# Altium PCB Supply_modulev2.0.PcbDoc (part 2 of 2)
Units mm, origin at the board's own origin, x right, y up, seen from the top; angles counter-clockwise.
Board outline 118.9 x 64.7 mm, 2 copper layers (Top Layer, Bottom Layer); 229 components, 145 nets, 729 pads, 144 vias.
Unrouted connection lines stored in the file: 11.
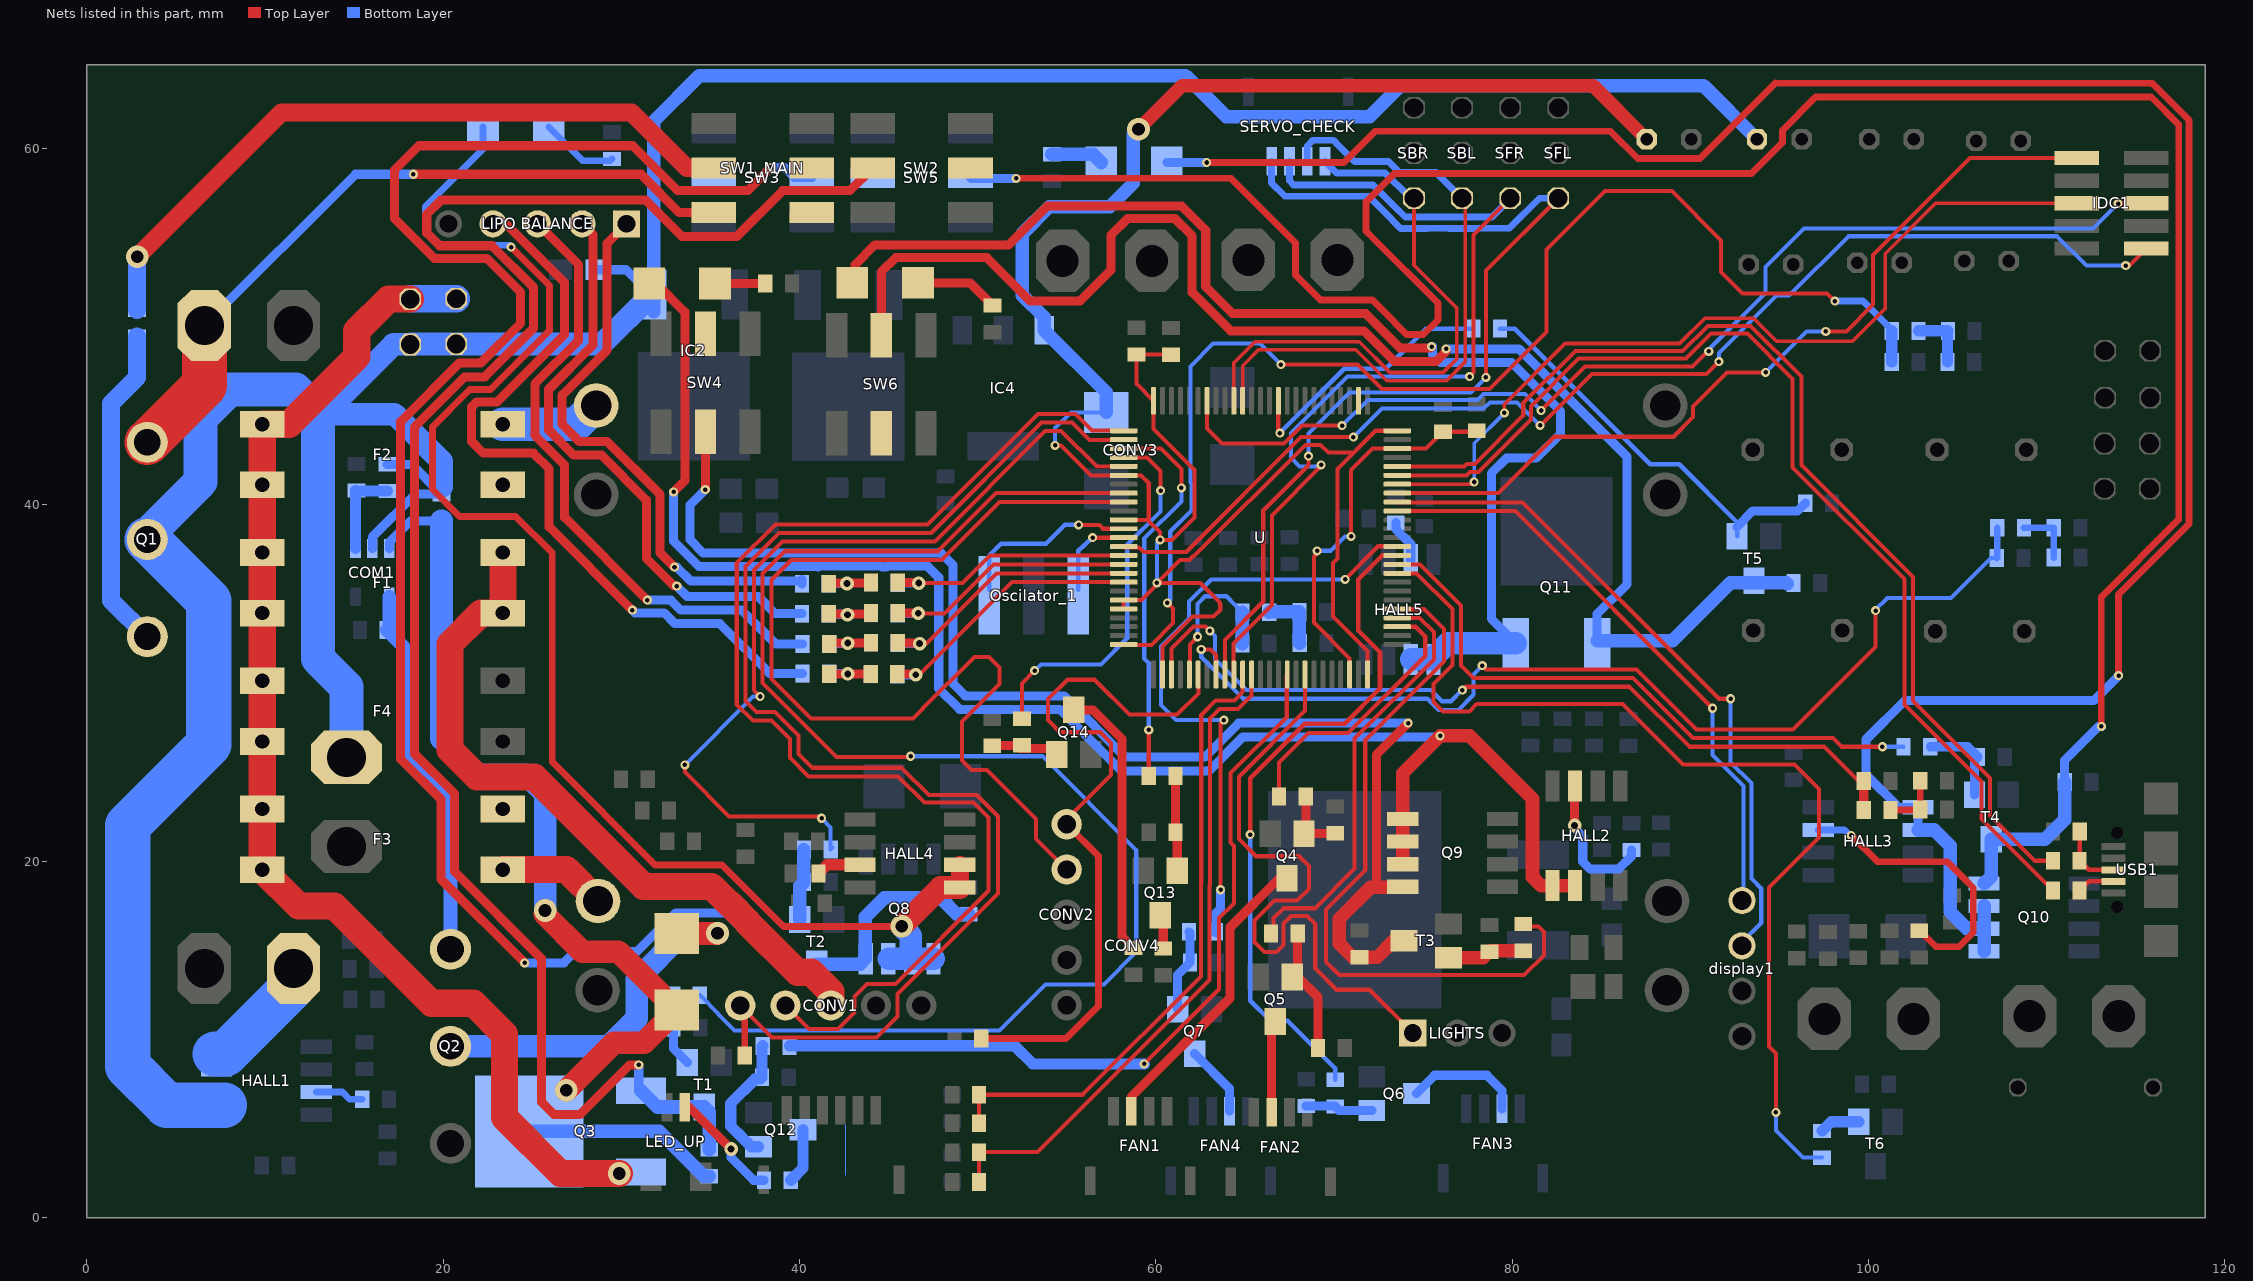
[diagram p2: the nets of this part, all layers, seen from the top]

## Via types
v1: diameter 0.508, hole 0.254, Top Layer to Bottom Layer, 98 vias
v2: diameter 0.762, hole 0.381, Top Layer to Bottom Layer, 25 vias
v3: diameter 1.27, hole 0.711, Top Layer to Bottom Layer, 6 vias
v4: diameter 1.5, hole 1.2, Top Layer to Bottom Layer, 6 vias
v5: diameter 1.27/1.27 (per signal layer), hole 0.711, Top Layer to Bottom Layer, 4 vias
v6: diameter 7, hole 3.2, Top Layer to Bottom Layer, 3 vias
v7: diameter 2.8, hole 2.18, Top Layer to Bottom Layer, 2 vias

## Nets (pads, with @x,y where several pads share a name; then routed paths per layer and width w, separated by ;. In a path a pad name is that pad's centre, name@x,y a point inside that pad or via, vN(x,y) a via of type N, cw(c..) or ccw(c..) an arc to the next point about the centre after c; other vN are vias at no path point) (continued)
NetC38_1: C38.1 C51.1 C52.1 IC4.3 TVS5.1 U.6 U.11 U.20 U.21 U.27 U.50 U.75 U.100 | length 129.9
  Top Layer w0.229: v1(54.346,43.342) 54.677,43.342 56.358,41.661 U.6@58.198,41.661 59.178,41.661 59.604,41.234 59.604,39.221 59.544,39.161 ; U.21@58.198,34.161 U.20@58.198,34.661 59.203,34.661 60.061,35.519 v1(60.061,35.621) ; U.11@58.198,39.161 59.544,39.161 ; U.27@60.378,30.481 60.378,32.047 62.059,33.728 63.245,33.728 63.617,34.101 63.617,34.452 63.579,34.49 63.579,34.537 62.495,35.621 v1(60.061,35.621) ; C52.1@60.849,48.422 60.823,48.448 C51.1@58.918,48.448 58.918,46.8 U.100@59.878,45.841 59.878,44.262 62.17,41.971 62.17,39.304 60.9,38.034 v1(60.239,38.034) 60.239,38.465 59.544,39.161 ; 71.11,42.936 69.688,42.936 69.256,43.368 68.393,43.368 62.119,37.094 62.066,37.094 61.888,36.916 61.357,36.916 v1(60.061,35.621) ; U.50@71.878,30.481 71.878,31.805 69.942,33.741 69.942,36.738 70.196,36.992 70.196,42.021 72.335,44.161 U.75@73.558,44.161
  Top Layer w0.762: v3(59.032,61.083) 61.484,63.535 84.536,63.535 C38.1@87.547,60.524
  Bottom Layer w0.229: v1(54.346,43.342) 54.346,44.307 55.235,45.196 TVS5.1@57.217,45.196 ; v1(60.061,35.621) 60.061,37.856 v1(60.239,38.034)
  Bottom Layer w0.762: TVS5.1@57.217,45.196 57.217,46.317 IC4.3@53.739,49.794 53.739,50.528 52.492,51.775 52.492,55.204 54.016,56.728 57.42,56.728 58.741,58.049 58.741,60.792 v3(59.032,61.083)
NetC39_1: C39.1 R46.1 U.37 | length 37.4
  Top Layer w0.229: R46.1@50.079,1.991 C39.1@50.079,3.667 53.356,3.667 63.02,13.332 63.02,18.657 63.033,18.67 63.033,28.017 63.563,28.547 64.617,28.547 65.378,29.307 U.37@65.378,30.481
NetC40_1: C40.1 R45.1 U.36 | length 35.3
  Top Layer w0.229: C40.1@50.079,5.293 R45.1@50.079,6.893 55.899,6.893 62.538,13.532 62.538,18.857 62.551,18.87 62.551,28.217 63.363,29.029 64.417,29.029 64.878,29.49 U.36@64.878,30.481
NetC41_1: C41.1 L6.1 U.25 | length 72.7
  Top Layer w0.229: U.25@58.198,32.131 59.747,32.131 60.976,33.36 60.976,34.173 v1(60.646,34.503) ; v1(67.026,47.869) 71.334,47.869 72.698,46.504 78.735,46.504 81.922,49.692 81.922,54.332 85.207,57.617 88.967,57.617 91.735,54.848 91.735,53.07 92.929,51.877 97.674,51.877 v1(98.111,51.44)
  Bottom Layer w0.229: v1(60.646,34.503) 60.811,34.668 60.811,38.503 62.004,39.697 62.004,41.191 61.941,41.255 61.941,47.774 63.224,49.057 65.838,49.057 v1(67.026,47.869)
  Bottom Layer w0.381: v1(98.111,51.44) 99.69,51.44 L6.1@101.311,49.819
  Bottom Layer w0.635: C41.1@101.311,48.016 L6.1@101.311,49.768
NetC42_1: C42.1 L7.1 U.28 | length 47.5
  Top Layer w0.229: U.28@60.878,30.481 60.878,31.937 62.111,33.169 62.792,33.169 v1(63.033,32.928) ; v1(77.206,29.601) 77.397,29.791 86.592,29.791 89.957,26.426 97.501,26.426 99.431,24.495 C42.1@99.736,24.495
  Top Layer w0.508: L7.1@99.736,22.87 C42.1@99.736,24.495
  Bottom Layer w0.229: v1(63.033,32.928) 63.325,32.636 63.325,31.363 65.086,29.602 75.436,29.602 76.06,28.978 76.575,28.978 77.197,29.601 v1(77.206,29.601)
NetC43_1: C43.1 L8.1 U.33 | length 58.5
  Top Layer w0.229: v1(62.551,31.887) 63.059,31.887 63.378,31.567 U.33@63.378,30.481 ; v1(78.324,30.972) 78.54,30.756 86.991,30.756 90.357,27.391 95.774,27.391 100.397,32.014 v1(100.397,34.071)
  Bottom Layer w0.229: v1(62.551,31.887) 62.551,31.455 64.886,29.12 75.236,29.12 75.86,28.496 76.982,28.496 77.829,29.343 77.829,30.477 v1(78.324,30.972) ; v1(100.397,34.071) 100.346,34.071 101.057,34.782 104.638,34.782 106.874,37.018 C43.1@107.202,37.018
  Bottom Layer w0.381: C43.1@107.202,37.018 107.228,37.043 L8.1@107.228,38.719
NetC44_1: C44.1 L9.1 U.30 | length 9.3
  Top Layer w0.229: U.30@61.878,30.481 61.921,30.523 61.921,32.171 v1(62.347,32.598)
  Bottom Layer w0.229: v1@62.347,32.547 62.347,34.448 62.771,34.871 63.96,34.871 64.468,34.363 L9.1@64.862,33.97 ; C44.1@64.684,32.039 C44.1@64.862,32.217
  Bottom Layer w0.762: C44.1@64.862,32.217 L9.1@64.862,33.97
NetC45_1: C45.1 L10.1 U.15 | length 14.5
  Top Layer w0.229: v2(46.694,35.612) 49.157,35.612 50.705,37.161 U.15@58.198,37.161
  Top Layer w0.508: L10.1@45.519,35.638 v2@46.694,35.638
  Bottom Layer w0.508: C45.1@45.519,35.612 v2(46.694,35.612)
NetC46_1: C46.1 L11.1 U.16 | length 15
  Top Layer w0.229: v2(46.669,33.912) 48.139,33.912 50.887,36.661 U.16@58.198,36.661
  Top Layer w0.508: L11.1@45.519,33.938 v2@46.669,33.938
  Bottom Layer w0.508: C46.1@45.519,33.912 v2(46.669,33.912)
NetC47_1: C47.1 L12.1 U.17 | length 15.6
  Top Layer w0.229: v2(46.744,32.212) 47.122,32.212 51.07,36.161 U.17@58.198,36.161
  Top Layer w0.508: L12.1@45.519,32.263 45.544,32.238 v2@46.744,32.238
  Bottom Layer w0.508: C47.1@45.519,32.237 45.544,32.212 v2(46.744,32.212)
NetC48_1: C48.1 L13.1 U.18 | length 15.9
  Top Layer w0.229: v2(46.523,30.464) 46.721,30.464 51.917,35.661 U.18@58.198,35.661
  Top Layer w0.508: L13.1@45.494,30.513 46.475,30.513 v2(46.523,30.464)
  Bottom Layer w0.508: C48.1@45.494,30.487 45.517,30.464 v2(46.523,30.464)
NetC49_1: C49.1 C50.1 U.48 U.73 | length 22
  Top Layer w0.229: v1(69.053,37.424) 69.205,37.424 68.875,37.094 68.875,33.385 70.878,31.383 U.48@70.878,30.481 ; v1(70.958,38.237) 70.958,41.945 72.173,43.161 U.73@73.558,43.161 75.171,43.161 C49.1@76.114,44.104 77.968,44.104 C50.1@78.019,44.155
  Bottom Layer w0.229: v1(69.053,37.424) 69.815,37.424 70.628,38.237 v1(70.958,38.237)
NetCOM1_1: COM1.1 R5.1 R6.2 | length 5
  Bottom Layer w0.635: COM1.1@15.078,37.551 R6.2@15.078,40.801 ; R6.2@15.129,40.801 15.153,40.777 R5.1@16.881,40.777
NetCOM1_3: COM1.3 Q3.2 R4.2 R8.2 TVS0.1 | length 57.5
  Top Layer w1.27: v3(25.721,17.231) 25.721,17.053 25.695,17.028 27.803,14.92 29.835,14.92 TVS0.1@32.223,12.532 ; v3(26.914,7.147) 29.581,9.814 31.283,9.814 TVS0.1@33.112,11.643
  Bottom Layer w0.508: COM1.3@16.978,37.551 16.978,37.902 18.175,39.099 R4.2@19.904,39.099
  Bottom Layer w0.762: Q3.2@24.835,4.836 32.127,4.836 34.643,2.32 R8.2@34.941,2.32
  Bottom Layer w1.27: R4.2@19.904,39.099 19.904,26.883 21.936,24.851 24.681,24.851 25.721,23.812 v3(25.721,17.231)
NetCOM1_4: COM1.4 Q2.1 R7.2 | length 21.3
  Bottom Layer w0.762: COM1.4@16.978,34.851 16.978,33.125 R7.2@16.832,32.979 17.796,32.015 17.796,26.248 20.412,23.632 Q2.1@20.412,15.061
NetCONV1_1: CONV1.1 R19.2 U.2 | length 76.6
  Top Layer w0.229: CONV1.1@36.675,11.9 38.468,10.107 44.327,10.107 45.513,11.294 45.513,12.56 51.146,18.193 51.146,22.524 49.95,23.719 47.257,23.719 45.732,25.245 40.719,25.245 39.956,26.008 39.956,27.062 38.637,28.381 37.583,28.381 36.96,29.004 36.96,36.541 38.846,38.427 47.396,38.427 53.594,44.625 55.29,44.625 56.268,43.647 58.184,43.647 U.2@58.198,43.661
  Top Layer w0.381: CONV1.1@36.675,11.9 36.923,11.652 R19.2@36.923,9.103
NetCONV1_2: CONV1.2 U.1 | length 70.7
  Top Layer w0.229: CONV1.2@39.215,11.9 40.525,10.59 42.168,10.59 43.077,11.499 43.077,12.405 43.79,13.118 45.389,13.118 50.613,18.342 50.613,22.446 49.772,23.287 47.007,23.287 45.532,24.762 40.519,24.762 39.473,25.808 39.473,26.862 38.437,27.898 37.383,27.898 36.477,28.804 36.477,36.741 38.646,38.91 47.196,38.91 53.394,45.107 55.49,45.107 56.428,44.169 U.1@58.198,44.169
NetCONV1_3: CONV1.3 F1.2 | length 40.8
  Top Layer w1.524: F1.2@23.35,37.325 F1.2@23.35,33.925 22.12,33.925 20.387,32.192 20.387,26.252 21.914,24.724 25.111,24.724 31.251,18.584 35.071,18.584 36.043,17.612 36.082,17.612 37.049,16.645 37.049,16.606 39.889,13.766 40.662,13.766 41.755,12.673 CONV1.3@41.755,11.9
NetCONV2_1: CONV2.1 R26.2 U.31 | length 40.4
  Top Layer w0.229: CONV2.1@55,22.075 55,22.342 57.496,24.838 57.496,26.645 56.902,27.239 54.626,27.239 53.94,27.924 53.94,29.093 55.032,30.185 56.556,30.185 58.512,28.229 61.195,28.229 62.391,29.424 62.391,30.468 U.31@62.378,30.481
  Top Layer w0.381: R26.2@50.208,10.043 54.959,10.043 56.785,11.869 56.785,20.29 CONV2.1@55,22.075
NetCONV2_2: CONV2.2 U.9 | length 57.7
  Top Layer w0.229: CONV2.2@55,19.535 53.28,21.255 53.28,22.366 50.529,25.116 49.662,25.116 49.114,25.664 49.114,27.837 51.235,29.958 51.235,30.88 50.647,31.468 49.816,31.468 46.914,28.566 46.914,28.553 46.375,28.013 40.643,28.013 38.421,30.236 38.421,35.798 39.538,36.916 47.971,36.916 51.216,40.161 U.9@58.198,40.161
NetCONV3_0: CONV3.0 F2.2 | length 5.7
  Bottom Layer w1.905: F2.2@23.35,44.525 27.488,44.525 CONV3.0@28.591,45.628
NetCONV4_0: CONV4.0 F3.2 | length 6.1
  Top Layer w1.524: F3.2@23.35,19.525 26.932,19.525 CONV4.0@28.692,17.764
Netdisplay1_3: display1.3 U.67 | length 38.3
  Top Layer w0.229: U.67@73.558,40.161 73.575,40.143 80.574,40.143 91.599,29.118 v1(92.269,29.118)
  Bottom Layer w0.229: v1(92.269,29.118) 92.269,25.547 93.424,24.392 93.424,19.022 93.983,18.463 93.983,16.532 92.904,15.453 display1.3@92.904,15.25
Netdisplay1_4: display1.4 U.66 | length 33.8
  Top Layer w0.229: U.66@73.558,39.661 80.177,39.661 v1(91.253,28.585)
  Bottom Layer w0.229: v1(91.253,28.585) 91.253,25.953 92.992,24.213 92.992,17.879 display1.4@92.904,17.79
NetF1_1: F1.1 F2.1 F3.1 F4.1 JP0_1.1 JP0_2.1 Q3.3 | length 69.5
  Top Layer w1.524: JP0_1.1@18.151,51.546 16.932,51.546 15.154,49.768 15.154,48.321 11.359,44.525 F2.1@9.85,44.525 F2.1@9.85,41.125 F1.1@9.85,37.325 F1.1@9.85,33.925 F4.1@9.85,30.125 F4.1@9.85,26.725 F3.1@9.85,22.925 F3.1@9.85,19.525 11.89,17.485 13.884,17.485 19.345,12.024 21.707,12.024 23.435,10.297 23.435,5.623 26.584,2.474 v3(29.886,2.474)
  Bottom Layer w1.524: JP0_1.1@18.151,51.546 18.177,51.572 JP0_2.1@20.742,51.572
NetFAN1_2: FAN1.2 Q4.3 | length 17.7
  Top Layer w0.508: FAN1.2@58.628,5.967 58.628,6.786 64.165,12.323 64.165,16.28 66.934,19.049 Q4.3@67.366,19.049 ; Q4.3@67.021,19.049 Q4.3@67.366,19.049 ; Q4.3@67.366,18.605 Q4.3@67.366,19.049
NetFAN2_2: FAN2.2 Q5.3 | length 5.2
  Top Layer w0.508: FAN2.2@66.502,5.9 66.502,10.727 Q5.3@66.739,10.964
NetFAN3_2: FAN3.2 Q6.3 | length 6.6
  Bottom Layer w0.508: Q6.3@74.627,6.96 75.652,7.985 78.578,7.985 79.428,7.136 FAN3.2@79.428,6.094
NetFAN4_2: FAN4.2 Q7.3 | length 4
  Bottom Layer w0.508: Q7.3@62.18,9.194 64.137,7.237 FAN4.2@64.137,5.967
NetHALL1_2: HALL1.2 MOTORS.1 | length 9.9
  Bottom Layer w0.762: 9.49,10.881 11.6,12.991 MOTORS.1@11.6,13.975
  Bottom Layer w2.54: 7.204,9.174 7.783,9.174 MOTORS.1@11.6,12.991
NetHALL1_4: HALL1.4 R2.1 | length 2.8
  Bottom Layer w0.381: HALL1.4@12.875,7.045 14.342,7.045 14.748,6.639 R2.1@15.459,6.639
NetHALL2_1: HALL2.1 LED3.1 Q9.3 | length 90.1
  Top Layer w0.508: LED3.1@31.575,52.425 31.968,52.425 33.569,50.824 33.569,41.361 v1(32.934,40.726)
  Top Layer w0.762: Q9.3@73.86,19.835 Q9.3@73.86,21.105 Q9.3@73.86,22.375 73.86,24.933 v1(75.962,27.035) 77.613,27.035 81.143,23.505 81.143,19.111 81.626,18.628 HALL2.1@83.201,18.628
  Bottom Layer w0.508: v1(32.934,40.726) 32.934,37.968 34.367,36.535 41.016,36.535 41.041,36.51 41.101,36.57 44.609,36.57 44.669,36.51 44.87,36.51 44.93,36.57 47.174,36.57 47.819,35.925 47.819,29.692 48.988,28.522 54.608,28.522 58.076,25.054 62.965,25.054 64.894,26.983 75.909,26.983 v1(75.962,27.035)
NetHALL2_4: HALL2.4 R32.1 | length 8
  Top Layer w0.508: v2(83.506,22.006) HALL2.4@83.506,24.228
  Bottom Layer w0.508: v2(83.506,22.006) 83.506,21.854 83.963,21.397 83.963,19.974 84.369,19.568 85.995,19.568 86.7,20.273 R32.1@86.7,20.636
NetHALL3_1: HALL3.1 LED4.1 Q10.3 | length 127.5
  Top Layer w0.381: v1(62.855,59.217) 70.552,59.217 72.304,60.97 85.526,60.97 87.051,59.445 90.544,59.445 94.779,63.68 115.872,63.655 115.936,63.655 117.999,61.593 117.999,38.935 114.036,34.972 v1(114.036,30.414)
  Bottom Layer w0.508: LED4.1@60.62,59.217 v1(62.855,59.217) ; HALL3.1@102.784,21.752 HALL3.1@102.784,23.022 101.692,23.022 99.863,24.851 99.863,26.832 102.048,29.017 112.639,29.017 v1(114.036,30.414)
  Bottom Layer w0.762: HALL3.1@102.784,21.752 103.687,21.752 104.588,20.852 104.588,17.155 105.527,16.215 Q10.3@106.493,16.215 ; Q10.3@106.493,14.945 Q10.3@106.493,16.215 ; Q10.3@106.493,17.485 Q10.3@106.493,16.215
NetHALL3_4: HALL3.4 R38.1 | length 16.5
  Top Layer w0.381: v1(99.025,21.447) 100.498,19.974 104.41,19.974 105.418,18.966 105.428,18.966 105.883,18.511 105.883,15.995 105.087,15.199 103.78,15.199 102.879,16.1 R38.1@102.85,16.1 R38.1@102.85,16.327
  Bottom Layer w0.381: HALL3.4@97.184,21.752 98.644,21.752 98.949,21.447 v1(99.025,21.447)
NetHALL4_1: HALL4.1 LED2.1 Q8.3 | length 83.6
  Top Layer w0.381: v1(23.816,54.47) 25.975,52.311 25.975,49.794 22.662,46.482 21.494,46.482 19.396,44.384 19.396,40.878 20.92,39.354 24.07,39.354 26.127,37.297 26.127,25.562 31.899,19.79 35.658,19.79 39.106,16.342 v5(45.736,16.342)
  Top Layer w1.016: HALL4.1@49,18.525 HALL4.1@49,19.776
  Top Layer w1.27: v5(45.736,16.342) 47.919,18.525 HALL4.1@49,18.525
  Bottom Layer w0.381: LED2.1@22.241,61.224 22.241,59.979 19.015,56.753 19.015,55.354 19.8,54.568 23.717,54.568 v1(23.816,54.47)
  Bottom Layer w1.27: Q8.3@45.004,14.525 Q8.3@46.255,14.525 ; v5(45.736,16.342) 46.255,15.823 Q8.3@46.255,14.525 ; Q8.3@47.525,14.525 Q8.3@46.255,14.525
NetHALL4_4: HALL4.4 R25.1 | length 2.5
  Top Layer w0.635: R25.1@41.062,19.314 41.543,19.795 HALL4.4@43.4,19.795
NetHALL5_1: HALL5.1 LED5.1 Q11.3 | length 71.5
  Top Layer w0.508: LED5.1@42.967,52.461 43.12,52.613 43.12,53.477 44.237,54.594 51.74,54.594 53.924,56.779 61.433,56.779 62.805,55.407 62.805,52.243 64.311,50.736 71.783,50.736 73.716,48.803 75.403,48.803 v1(75.479,48.879) ; LED5.1@43,52.675 LED5.1@43,52.773
  Bottom Layer w0.508: v1(75.479,48.879) v1@75.53,48.829 ; v1@75.53,48.879 75.53,48.437 75.976,47.99 79.975,47.99 82.718,45.247 82.718,44.003 81.347,42.631 79.69,42.631 78.832,41.773 78.832,33.614 Q11.3@80.204,32.242
  Bottom Layer w1.27: HALL5.1@74.33,31.328 75.479,31.328 76.394,32.242 Q11.3@80.204,32.242
NetHALL5_4: HALL5.4 R44.1 | length 2.4
  Bottom Layer w0.508: R44.1@73.473,38.999 73.473,38.643 74.311,37.805 HALL5.4@74.311,36.928
NetIDC1_1: IDC1.1 U.68 | length 47.9
  Top Layer w0.229: U.68@73.558,40.661 79.224,40.661 82.388,43.825 89.055,43.825 90.158,44.928 90.158,45.524 92.065,47.432 v1(94.224,47.432) ; v1(97.603,49.743) 98.771,49.743 100.264,51.236 100.264,54.034 105.697,59.467 IDC1.1@111.703,59.467
  Bottom Layer w0.229: v1(94.224,47.432) 96.536,49.743 v1(97.603,49.743)
NetIDC1_3: IDC1.3 U.69 | length 49.1
  Top Layer w0.203: U.69@73.558,41.161 73.562,41.165 77.747,41.165 v1(77.867,41.285) ; v1(79.569,45.162) 79.569,45.654 82.972,49.057 89.398,49.057 90.808,50.467 93.561,50.467 94.844,49.184 99.101,49.184 100.941,51.024 100.941,54.101 103.767,56.927 IDC1.3@111.703,56.927
  Bottom Layer w0.203: v1(77.867,41.285) 77.867,43.46 v1(79.569,45.162)
NetIDC1_8: IDC1.8 U.94 | length 61.8
  Top Layer w0.229: U.94@62.878,45.841 62.878,44.285 63.706,43.456 67.207,43.456 68.198,44.447 v1(70.463,44.447) ; v1(81.626,45.298) 84.102,47.774 90.122,47.774 v1@90.961,48.613
  Top Layer w0.254: v1(114.011,56.906) 114.032,56.927 IDC1.8@115.603,56.927
  Bottom Layer w0.229: v1(70.463,44.447) 71.898,45.882 78.065,45.882 78.396,46.212 80.712,46.212 v1(81.626,45.298) ; v1(91.037,48.613) 91.037,48.714 94.214,51.892 94.214,53.34 96.383,55.509 112.614,55.509 v1(114.011,56.906)
NetIDC1_10: IDC1.10 U.14 | length 67.3
  Top Layer w0.229: U.14@58.198,37.661 58.241,37.618 59.068,37.618 59.339,37.348 61.709,37.348 68.16,43.799 v1(71.085,43.799) ; v1@81.575,44.434 84.483,47.343 90.91,47.343 v1(91.608,48.041) ; v1(114.443,53.426) 114.642,53.426 IDC1.10@115.603,54.387
  Bottom Layer w0.229: v1(71.085,43.799) 72.685,45.4 78.401,45.4 78.757,45.755 80.28,45.755 v1(81.575,44.46) ; v1(91.608,48.041) 91.608,48.524 94.834,51.75 95.545,51.75 98.873,55.077 110.582,55.077 112.233,53.426 v1(114.443,53.426)
NetL6_2: L6.2 R55.1 R56.2 | length 3.4
  Bottom Layer w0.635: L6.2@102.811,49.768 R56.2@104.459,49.768 104.435,49.744 R55.1@104.435,48.016
NetL7_2: L7.2 R57.1 R58.2 | length 3.3
  Top Layer w0.381: L7.2@101.236,22.87 102.886,22.87 R57.1@102.911,22.895 102.911,24.519 R58.2@102.91,24.521
NetL8_2: L8.2 R59.1 R60.2 | length 3.4
  Bottom Layer w0.381: L8.2@108.728,38.719 R59.1@110.403,38.719 110.403,37.044 R60.2@110.401,37.043
NetL9_2: L9.2 R61.1 R62.2 | length 3.5
  Bottom Layer w0.762: L9.2@66.362,33.97 66.387,33.995 R61.1@68.062,33.995 68.062,32.266 R62.2@68.086,32.242
NetL10_2: L10.2 R63.1 R64.2 | length 3.4
  Top Layer w0.508: R64.2@41.669,35.613 42.669,35.613 43.994,35.613 L10.2@44.019,35.638
  Bottom Layer w0.508: R63.1@41.669,35.587 v2(42.669,35.587)
NetL11_2: L11.2 R65.1 R66.2 | length 3.3
  Top Layer w0.508: R66.2@41.669,33.888 L11.2@43.969,33.888
  Bottom Layer w0.508: R65.1@41.669,33.862 42.669,33.862 v2(42.694,33.837)
NetL12_2: L12.2 R67.1 R68.2 | length 3.4
  Top Layer w0.508: R68.2@41.669,32.238 L12.2@43.994,32.238
  Bottom Layer w0.508: R67.1@41.669,32.212 42.683,32.212 v2(42.713,32.242)
NetL13_2: L13.2 R69.1 R70.2 | length 3.4
  Top Layer w0.508: R70.2@41.673,30.515 42.71,30.515 v2(42.713,30.512) 43.944,30.512 43.969,30.538 L13.2@43.994,30.513
  Bottom Layer w0.508: R69.1@41.669,30.538 42.688,30.538 v2(42.713,30.512)
NetLED2_2: LED2.2 R23.2 | length 4.4
  Bottom Layer w0.381: LED2.2@25.924,61.224 27.829,59.319 29.38,59.319 R23.2@29.48,59.419
NetLED3_2: LED3.2 R30.2 | length 2.8
  Top Layer w0.508: LED3.2@35.258,52.425 R30.2@38.075,52.425
NetLED4_2: LED4.2 R36.2 | length 3
  Bottom Layer w0.762: R36.2@54.175,59.675 56.479,59.675 LED4.2@56.937,59.217
NetLED5_2: LED5.2 R42.2 | length 4.7
  Top Layer w0.508: LED5.2@46.65,52.461 49.573,52.461 R42.2@50.841,51.192
NetLED_UP_2: LED_UP.2 R52.2 | length 9.3
  Top Layer w0.508: LED_UP.2@33.564,6.196 33.809,6.196 v2(36.16,3.845)
  Bottom Layer w0: 42.6,2.375 42.6,5.203
  Bottom Layer w0.508: v2(36.16,3.845) 36.16,3.363 37.43,2.093 R52.2@38.013,2.093
NetLIGHTS_1: LIGHTS.1 U.43 | length 36.4
  Top Layer w0.229: U.43@68.378,30.481 68.378,28.447 64.671,24.74 64.671,21.24 65.633,20.279 68.037,20.279 68.596,19.72 68.596,18.45 67.935,17.79 66.665,17.79 65.548,16.672 65.548,15.453 66.107,14.894 66.768,14.894 67.178,15.304 67.178,16.502 67.602,16.926 68.494,16.926 68.951,16.469 68.951,13.98 70.145,12.786 71.989,12.786 LIGHTS.1@74.425,10.35
"NetLIPO BALANCE_1": "LIPO BALANCE.1" R63.2 | length 32.1
  Top Layer w0.508: 30.3,55.775 29.2,54.675 29.2,48.687 26.675,46.161 26.675,44.528 27.653,43.55 29.207,43.55 32.172,40.585 32.172,37.322 v1(32.985,36.51)
  Bottom Layer w0.508: v1(32.985,36.51) 33.123,36.51 33.91,35.722 39.995,35.722 R63.2@40.148,35.57 R63.2@40.148,35.824
"NetLIPO BALANCE_2": "LIPO BALANCE.2" R65.2 | length 33.3
  Top Layer w0.508: 27.8,55.775 28.413,55.162 28.413,48.977 25.913,46.477 25.913,44.212 27.337,42.788 28.892,42.788 31.41,40.27 31.41,37.007 32.974,35.443 v1(33.112,35.443)
  Bottom Layer w0.508: v1(33.112,35.443) 33.696,34.859 37.684,34.859 38.649,33.893 R65.2@40.148,33.893
"NetLIPO BALANCE_3": "LIPO BALANCE.3" R67.2 | length 35.4
  Top Layer w0.508: 25.3,55.775 27.6,53.475 27.6,49.242 25.151,46.792 25.151,43.896 26.817,42.23 26.817,39.299 v1(31.461,34.655)
  Bottom Layer w0.508: v1(31.461,34.655) 32.782,34.655 33.341,34.097 36.77,34.097 38.675,32.192 R67.2@40.173,32.192
"NetLIPO BALANCE_4": "LIPO BALANCE.4" R69.2 | length 43.3
  Top Layer w0.508: 22.8,55.775 23.517,55.775 26.813,52.479 26.813,49.565 23.031,45.783 21.89,45.783 21.592,45.485 21.592,43.565 22.257,42.9 25.07,42.9 25.95,42.02 25.95,38.77 v1(30.623,34.097)
  Bottom Layer w0.508: v1(30.623,34.097) 30.775,33.944 32.405,33.944 33.014,33.335 35.525,33.335 38.322,30.538 R69.2@40.169,30.538 R69.2@39.82,30.538
NetOscilator_1_1: Oscilator_1.1 U.13 | length 5.1
  Top Layer w0.254: v1(56.455,38.161) U.13@58.249,38.161
  Bottom Layer w0.254: Oscilator_1.1@55.642,35.24 55.642,37.424 v1(56.455,38.161)
NetOscilator_1_3: Oscilator_1.3 U.12 | length 10.4
  Top Layer w0.229: v1@55.743,38.796 v1(55.667,38.872) 56.836,38.872 57.047,38.661 U.12@58.198,38.661
  Bottom Layer w0.254: Oscilator_1.3@50.642,35.24 50.642,37.148 51.314,37.82 53.837,37.82 54.889,38.872 v1(55.667,38.872)
NetQ1_1: Q1.1 R1.1 | length 18.3
  Bottom Layer w1.016: R1.1@2.825,49.45 2.825,47.142 1.362,45.679 1.362,34.641 Q1.1@3.394,32.609
NetQ2_3: Q2.3 TVS0.2 | length 21.2
  Top Layer w1.27: TVS0.2@33.112,15.943 35.38,15.943 v5(35.398,15.961)
  Bottom Layer w1.27: Q2.3@20.412,9.611 29.302,9.611 30.877,11.186 30.877,13.37 33.468,15.961 v5(35.398,15.961)
NetQ3_1: Q3.1 R8.1 SW2.1 T1.3 | length 103.1
  Top Layer w0.508: v1(30.978,8.57) 30.47,8.57 27.676,5.776 26.229,5.776 25.517,6.487 25.517,14.539 20.641,19.415 20.641,23.784 18.38,26.045 18.38,44.355 21.205,47.18 22.335,47.18 25.072,49.917 25.072,52.208 22.736,54.544 19.807,54.544 19.081,55.27 19.081,56.311 19.879,57.109 31.359,57.109 33.417,55.052 36.465,55.052 39.056,57.642 42.834,57.642 SW2.1@44.1,58.908
  Bottom Layer w0.508: v1(30.978,8.57) 30.978,7.249 Q3.1@31.105,7.122
  Bottom Layer w0.762: Q3.1@31.105,7.122 32.022,6.206 T1.3@34.658,6.206 34.941,5.923 R8.1@34.941,3.82
NetQ4_1: Q4.1 R11.1 R12.1 | length 3.9
  Top Layer w0.508: Q4.1@68.316,21.549 70.044,21.549 R12.1@70.069,21.574 ; R11.1@68.418,23.632 68.418,21.811 Q4.1@68.609,21.62
NetQ5_1: Q5.1 R13.1 R14.1 | length 6.9
  Top Layer w0.508: R13.1@67.961,15.936 67.961,13.523 69.104,12.38 R14.1@69.104,9.509
NetQ6_1: Q6.1 R15.1 R16.2 | length 3.8
  Bottom Layer w0.508: R16.2@68.443,6.257 70.045,6.257 R15.1@70.069,6.233 70.291,6.01 Q6.1@72.127,6.01
NetQ7_1: Q7.1 R17.1 R18.1 | length 4.6
  Bottom Layer w0.508: Q7.1@61.23,11.694 61.23,13.624 R18.1@61.916,14.31 61.916,15.986 R17.1@61.865,16.037
NetQ8_1: Q8.1 R20.1 SW3.1 T2.3 | length 111.9
  Top Layer w0.508: v1(24.578,14.299) 19.879,18.998 19.879,23.469 17.618,25.729 17.618,44.671 20.912,47.965 22.113,47.965 24.349,50.2 24.349,51.925 22.442,53.832 19.513,53.832 17.262,56.083 17.262,58.785 18.634,60.157 30.643,60.157 33.158,57.642 37.1,57.642 v1(38.395,58.938)
  Bottom Layer w0.508: v1(24.578,14.299) 26.778,14.299 27.399,14.92 30.877,14.92 33.061,17.104 35.871,17.104 38.75,14.225 T2.3@40.975,14.225 ; v1(38.395,58.938) 39.162,58.938 39.725,58.375 SW3.1@40.7,58.375
  Bottom Layer w0.762: T2.3@40.975,14.225 43.396,14.225 43.696,14.525 43.696,16.868 44.771,17.942 47.912,17.942 48.829,17.025 R20.1@49.5,17.025
NetQ9_1: Q9.1 R27.1 SW4.1 T3.3 | length 75.8
  Top Layer w0.508: v1(34.712,40.853) 34.725,40.866 SW4.1@34.725,44.1 ; 72.38,18.546 72.38,25.969 v1(74.157,27.745)
  Top Layer w0.762: Q9.1@73.231,18.546 72.074,18.546 70.298,16.77 70.298,15.377 71.06,14.615 R27.1@71.441,14.615 72.431,14.615 73.341,15.525 T3.3@73.925,15.525 ; Q9.1@73.841,18.546 Q9.1@73.86,18.565
  Bottom Layer w0.508: v1(34.712,40.853) 33.849,39.989 33.849,38.059 34.611,37.297 47.946,37.297 48.606,36.637 48.606,29.982 49.304,29.284 54.852,29.284 58.295,25.842 62.746,25.842 64.65,27.745 v1(74.157,27.745)
NetQ10_1: Q10.1 R33.1 SW5.1 T4.3 | length 137.7
  Top Layer w0.381: v1(52.162,58.328) 64.216,58.328 67.834,54.711 67.834,52.9 69.236,51.498 72.158,51.498 73.396,50.26 73.396,50.235 74.066,49.565 75.013,49.565 75.835,50.387 75.835,51.328 72.204,54.959 72.204,54.967 71.792,55.379 71.792,57.003 73.396,58.608 93.437,58.608 95.168,60.339 95.168,61.02 97.039,62.892 115.874,62.892 117.415,61.351 117.415,39.177 113.071,34.833 v1(113.071,27.569)
  Bottom Layer w0.508: SW5.1@49.6,58.375 49.647,58.328 v1(52.162,58.328) ; R33.1@111.014,24.445 111.014,25.664 112.919,27.569 v1(113.071,27.569)
  Bottom Layer w0.762: Q10.1@106.493,18.755 106.9,19.162 T4.3@106.9,21.225 109.902,21.225 111.014,22.336 R33.1@111.014,24.445
NetQ11_1: Q11.1 R39.1 SW6.1 T5.3 | length 81.1
  Top Layer w0.508: SW6.1@44.6,49.525 44.6,53.078 45.406,53.883 50.511,53.883 52.952,51.442 55.735,51.442 57.496,53.203 57.496,55.153 58.41,56.068 61.077,56.068 62.043,55.102 62.043,51.927 64.202,49.768 71.673,49.768 73.4,48.041 75.719,48.041 76.292,48.615 v1(76.292,48.752)
  Bottom Layer w0.508: v1(76.292,48.752) 80.387,48.752 86.452,42.687 86.452,35.556 84.776,33.88 Q11.1@84.776,32.242
  Bottom Layer w0.762: Q11.1@84.776,32.369 89.001,32.369 92.257,35.625 95.388,35.625 R39.1@95.444,35.57
NetQ12_1: Q12.1 R53.1 R54.2 | length 7.3
  Bottom Layer w0.635: Q12.1@37.7,3.975 37.3,3.975 37.062,4.213 37.062,4.219 36.533,4.747 36.528,4.747 36.135,5.141 36.135,6.396 37.521,7.782 R54.2@37.807,7.782 ; R54.2@37.9,7.875 37.9,9.598 R53.1@37.938,9.636
NetQ12_3: Q12.3 R52.1 | length 3.1
  Bottom Layer w0.635: R52.1@39.513,2.093 40.2,2.78 Q12.3@40.2,4.925
NetQ13_1: Q13.1 R71.1 R72.2 | length 5.4
  Top Layer w0.508: R72.2@61.104,24.775 61.104,21.627 R71.1@61.103,21.625 61.204,21.524 Q13.1@61.204,19.466
NetQ13_3: Q13.3 R73.1 | length 1.9
  Top Layer w0.508: Q13.3@60.254,16.966 60.417,16.804 R73.1@60.417,15.097
NetQ14_1: Q14.1 R74.1 R75.1 | length 3.7
  Top Layer w0.508: R74.1@50.816,26.477 50.841,26.502 R75.1@52.492,26.502 ; R75.1@52.34,26.324 Q14.1@54.321,26.324
NetQ14_3: Q14.3 R76.1 | length 15.4
  Top Layer w0.508: Q14.3@55.398,28.494 56.469,28.494 58.106,26.858 58.106,15.758 R76.1@58.741,15.123
NetR1_2: R1.2 SW1_MAIN.1 | length 40
  Top Layer w1.016: v3(2.825,53.925) 10.925,62.025 30.577,62.025 33.694,58.908 SW1_MAIN.1@35.2,58.908
  Bottom Layer w1.016: R1.2@2.825,50.95 v3(2.825,53.925)
NetR9_1: R9.1 R10.1 T1.1 | length 4.1
  Bottom Layer w0.508: R9.1@32.909,12.481 32.909,10.678 R10.1@32.934,10.652 32.934,9.48 T1.1@33.708,8.706
NetR9_2: R9.2 U.8 | length 86.1
  Top Layer w0.229: v1(46.244,25.892) 46.244,25.842 42.078,25.842 37.925,29.994 37.925,36.141 39.183,37.399 47.768,37.399 51.03,40.661 U.8@58.198,40.661
  Bottom Layer w0.229: R9.2@34.409,12.481 35.457,11.433 35.457,11.395 36.347,10.505 39.991,10.505 39.995,10.5 51.222,10.5 53.805,13.082 57.081,13.082 58.901,14.902 58.901,20.64 53.648,25.893 v1(46.244,25.892)
NetR11_2: R11.2 U.53 | length 15.6
  Top Layer w0.229: R11.2@66.918,23.553 66.918,25.535 68.57,27.188 70.784,27.188 75.124,31.528 75.124,32.623 74.586,33.161 U.53@73.558,33.161
NetR13_2: R13.2 U.54 | length 23.8
  Top Layer w0.229: R13.2@66.618,16.211 66.618,16.803 67.173,17.358 68.926,17.358 71.161,19.593 71.161,26.883 75.606,31.328 75.606,32.852 74.798,33.661 U.54@73.558,33.661
NetR15_2: R15.2 U.61 | length 38.2
  Top Layer w0.254: v1(65.294,21.498) 65.294,24.662 68.353,27.721 70.602,27.721 72.584,29.702 72.584,31.728 71.364,32.947 71.364,35.813 72.712,37.161 U.61@73.558,37.161
  Bottom Layer w0.254: v1(65.294,21.498) 65.294,12.176 66.437,11.033 67.402,11.033 70.069,8.366 R15.2@70.069,7.733
NetR17_2: R17.2 U.62 | length 35.5
  Top Layer w0.229: v1(63.643,18.399) 63.643,27.747 v1(63.821,27.924) ; v1(70.628,35.824) 72.482,37.678 73.541,37.678 U.62@73.558,37.661
  Bottom Layer w0.229: v1(63.821,27.924) 61.128,27.924 60.29,28.763 60.29,32.065 61.858,33.633 61.858,34.569 63.113,35.824 v1(70.628,35.824)
  Bottom Layer w0.508: R17.2@63.389,15.96 63.389,17.104 63.643,17.358 v1(63.643,18.399)
NetR21_1: R21.1 R22.1 T2.1 | length 4
  Bottom Layer w0.762: T2.1@40.025,16.725 40.025,18.6 R22.1@40.25,18.825 R21.1@40.25,20.65
NetR21_2: R21.2 U.5 | length 49.1
  Top Layer w0.229: v1(33.569,25.41) 33.569,25.003 36.052,22.52 41.132,22.52 v1(41.24,22.413) ; v1(37.786,29.245) 37.506,29.525 37.506,29.537 37.443,29.601 37.443,36.341 39.046,37.945 47.596,37.945 53.794,44.142 54.689,44.142 56.688,42.143 58.181,42.143 U.5@58.198,42.161
  Bottom Layer w0.229: v1(33.569,25.41) 37.405,29.245 v1(37.786,29.245) ; v1(41.24,22.413) 41.75,21.903 R21.2@41.75,20.65 R21.2@41.862,20.762
NetR28_1: R28.1 R29.1 T3.1 | length 4.4
  Top Layer w0.762: T3.1@76.425,14.575 78.375,14.575 R29.1@78.725,14.925 78.775,14.975 R28.1@80.625,14.975
NetR28_2: R28.2 U.55 | length 40.2
  Top Layer w0.229: U.55@73.558,34.161 73.575,34.143 75.052,34.143 76.165,33.03 76.165,31.204 71.758,26.797 71.758,19.508 69.548,17.298 69.548,14.356 70.298,13.607 80.678,13.607 81.778,14.708 81.778,16.037 81.474,16.342 80.758,16.342 R28.2@80.625,16.475
NetR34_1: R34.1 U.60 | length 34.6
  Top Layer w0.229: U.60@73.558,36.661 73.575,36.643 74.834,36.643 77.13,34.347 77.13,30.972 77.829,30.274 86.792,30.274 90.157,26.908 98.006,26.908 98.488,26.426 v1(100.778,26.426)
  Bottom Layer w0.229: v1(100.778,26.426) R34.1@101.971,26.426
NetR34_2: R34.2 R35.1 T4.1 | length 5.1
  Bottom Layer w0.508: R34.2@103.471,26.426 105.574,26.426 R35.1@106.15,25.85 105.95,25.65 T4.1@105.95,23.725
NetR40_1: R40.1 U.86 | length 15
  Top Layer w0.254: U.86@66.878,45.841 66.878,44.146 66.97,44.053 v1(66.97,44.028)
  Bottom Layer w0.254: v1(66.97,44.028) 66.97,44.047 70.571,47.647 72.916,47.647 75.163,49.895 R40.1@77.714,49.895
NetR40_2: R40.2 R41.1 T5.1 | length 23
  Bottom Layer w0.254: R40.2@79.316,49.895 80.142,49.895 87.762,42.275 89.373,42.275 92.624,39.024 92.624,38.77 T5.1@92.624,38.237
  Bottom Layer w0.508: T5.1@92.624,38.77 93.513,39.659 96.028,39.659 R41.1@96.46,40.091
NetR47_1: R47.1 USB1.2 | length 2.1
  Top Layer w0.254: R47.1@111.852,18.349 112.37,18.867 USB1.2@113.749,18.867
NetR47_2: R47.2 U.70 | length 61.7
  Top Layer w0.229: U.70@73.558,41.661 77.434,41.661 77.63,41.856 78.104,41.856 78.106,41.853 81.054,44.802 81.054,45.535 83.726,48.206 89.751,48.206 91.161,49.616 93.208,49.616 95.748,47.076 95.748,42.098 102.019,35.827 102.019,28.791 106.34,24.47 106.34,22.36 R47.2@110.352,18.349
NetR48_1: R48.1 R49.2 USB1.3 | length 3.8
  Top Layer w0.254: R49.2@111.853,21.676 111.852,21.675 R48.1@111.852,20.025 112.36,19.517 USB1.3@113.749,19.517
NetR48_2: R48.2 U.71 | length 61.1
  Top Layer w0.229: U.71@73.558,42.161 77.324,42.161 77.451,42.288 77.905,42.288 80.623,45.006 80.623,45.714 83.547,48.638 89.572,48.638 90.982,50.048 93.387,50.048 96.231,47.204 96.231,42.226 102.501,35.955 102.501,28.991 106.823,24.67 106.823,22.56 109.358,20.025 R48.2@110.352,20.025
NetR50_1: R50.1 U.59 | length 57.3
  Top Layer w0.229: U.59@73.558,36.161 74.634,36.161 76.648,34.147 76.648,31.004 75.581,29.938 75.581,28.94 76.114,28.407 77.595,28.407 78.014,28.826 86.192,28.826 89.583,25.435 95.849,25.435 97.222,24.063 97.222,21.32 94.415,18.514 94.415,9.607 94.809,9.214 v1(94.809,5.903)
  Bottom Layer w0.229: v1(94.809,5.903) 94.809,4.887 96.333,3.363 R50.1@97.399,3.363
NetR50_2: R50.2 T6.1 | length 2.3
  Bottom Layer w0.635: R50.2@97.399,4.863 97.918,5.381 T6.1@99.449,5.381
NetR53_2: R53.2 U.41 | length 45.7
  Top Layer w0.229: v1(59.35,8.62) 63.543,12.813 63.543,16.801 64.379,17.637 64.379,20.85 64.189,21.041 64.189,24.94 67.351,28.102 67.351,30.454 U.41@67.378,30.481
  Bottom Layer w0.635: R53.2@39.438,9.636 52.086,9.636 53.102,8.62 v1(59.35,8.62)
NetR72_1: R72.1 U.3 | length 21.9
  Top Layer w0.229: U.3@58.198,43.161 60.294,43.161 61.433,42.021 v1(61.433,40.955) ; R72.1@59.604,24.775 v1(59.604,27.366)
  Bottom Layer w0.229: v1(59.604,27.366) 59.604,31.125 59.35,31.379 59.35,38.11 61.433,40.193 v1(61.433,40.955)
NetR75_2: R75.2 U.4 | length 21.5
  Top Layer w0.229: R75.2@52.492,28.002 52.492,29.982 v1(53.203,30.693) ; U.4@58.198,42.661 59.498,42.661 60.265,41.894 v1(60.265,40.802)
  Bottom Layer w0.229: v1(53.203,30.693) 53.546,31.036 56.917,31.036 58.398,32.516 58.398,37.768 60.265,39.635 v1(60.265,40.802)
NetSBL_3: SBL.3 SERVO_CHECK.3 U.90 | length 36.3
  Top Layer w0.203: U.90@64.878,45.841 64.878,47.817 65.763,48.702 71.231,48.702 72.958,46.974 76.313,46.974 77.359,48.02 77.359,57.039 SBL.3@77.189,57.208
  Bottom Layer w0.381: SERVO_CHECK.3@68.5,59.275 68.5,60.137 68.831,60.469 69.963,60.469 70.194,60.238 70.194,60.236 71.161,59.268 73.066,59.268 73.676,58.658 75.739,58.658 SBL.3@77.189,57.208
NetSBR_3: SBR.3 SERVO_CHECK.4 U.91 | length 31.9
  Top Layer w0.203: U.91@64.378,45.841 64.378,47.964 65.573,49.159 71.42,49.159 73.148,47.432 76.124,47.432 76.902,48.21 76.902,51.034 74.489,53.446 SBR.3@74.489,57.208
  Bottom Layer w0.381: SERVO_CHECK.4@69.5,59.275 70.142,58.633 72.875,58.633 74.147,57.361 SBR.3@74.337,57.361 ; SBR.3@74.362,57.208 SBR.3@74.489,57.208
NetSERVO_CHECK_1: SERVO_CHECK.1 SFL.3 U.34 | length 57.5
  Top Layer w0.229: U.34@63.878,30.481 63.878,32.424 66.03,34.576 66.03,39.685 68.57,42.225 v1(68.57,42.733) ; v1(78.527,47.152) 78.527,53.146 SFL.3@82.589,57.208
  Bottom Layer w0.229: v1(68.57,42.733) 68.57,44.003 70.882,46.314 77.689,46.314 v1(78.527,47.152)
  Bottom Layer w0.381: SERVO_CHECK.1@66.5,59.275 66.5,58.062 67.237,57.325 71.935,57.325 72.8,56.46 72.8,56.456 73.737,55.519 75.241,55.519 75.244,55.521 76.434,55.521 76.437,55.519 77.941,55.519 77.944,55.521 79.835,55.521 81.522,57.208 SFL.3@82.589,57.208
NetSERVO_CHECK_2: SERVO_CHECK.2 SFR.3 U.35 | length 53.9
  Top Layer w0.229: U.35@64.378,30.481 64.367,30.492 64.367,32.23 66.513,34.376 66.513,39.404 69.282,42.173 v1(69.282,42.25) ; v1(77.613,47.203) 77.841,47.432 77.841,55.161 SFR.3@79.889,57.208
  Bottom Layer w0.229: v1(69.282,42.25) 69.193,42.161 68.075,42.161 67.58,42.656 67.58,44.028 70.755,47.203 v1(77.613,47.203)
  Bottom Layer w0.381: SERVO_CHECK.2@67.5,59.275 67.5,58.196 67.736,57.96 72.198,57.96 73.435,56.723 73.435,56.719 74,56.154 74.978,56.154 74.981,56.156 76.698,56.156 76.7,56.154 77.678,56.154 77.681,56.156 78.87,56.156 79.541,56.827 SFR.3@79.744,56.827
NetU_77: U.77
VCC: C29.1 C30.1 COM1.2 HALL1.1 IC2.1 JP0_1.2 JP0_2.2 NUC.1 Q1.3 R4.1 R5.2 | length 195.9
  Bottom Layer w0.508: COM1.2@16.028,37.551 16.028,38.196 18.431,40.599 R4.1@19.904,40.599 18.226,42.277 R5.2@16.856,42.277 ; C29.1@28.616,53.197 30.267,53.197 IC2.1@31.677,51.788 ; IC2.1@31.474,52.118 IC2.1@31.791,51.8
  Bottom Layer w0.762: IC2.1@31.817,50.835 31.817,61.529 34.382,64.094 61.662,64.094 63.965,61.791 65.742,61.791 72.001,61.791 73.745,63.535 90.736,63.535 C30.1@93.747,60.524
  Bottom Layer w1.016: 11.707,46.482 12.167,46.482
  Bottom Layer w1.27: 12.97,45.095 17.262,45.095 19.904,42.453 19.904,41.031 ; 13.554,45.095 13.554,45.349 17.212,49.006 JP0_1.2@18.151,49.006 18.177,49.032 JP0_2.2@20.742,49.032 28.921,49.032 IC2.1@31.677,51.788
  Bottom Layer w1.905: Q1.3@3.394,38.059 3.394,38.313 6.391,41.31 6.391,44.879 7.994,46.482 11.6,46.482 ; 11.707,46.482 12.97,45.218 12.97,31.367 14.57,29.767 NUC.1@14.57,25.827
  Bottom Layer w2.54: Q1.3@3.394,38.059 6.844,34.609 6.844,26.553 2.296,22.005 2.296,8.495 4.482,6.309 7.712,6.309
VCC_M: BATT1.1 Q1.2 SW1_MAIN.2 | length 40.9
  Top Layer w0.508: v1(18.329,58.557) 31.105,58.557 33.254,56.408 SW1_MAIN.2@35.2,56.408
  Top Layer w2.54: Q1.2@3.394,43.509 6.6,46.715 BATT1.1@6.6,50.075
  Bottom Layer w0.508: BATT1.1@6.6,50.075 15.082,58.557 v1(18.329,58.557)
pads on no net: BUTTONS.7 BUTTONS.8 FAN1.3 FAN1.4 FAN1.7 FAN1.8 FAN2.3 FAN2.4 FAN2.7 FAN2.8 FAN3.3 FAN3.4 FAN3.7 FAN3.8 FAN4.3 FAN4.4 FAN4.7 FAN4.8 LED_UP.0 SERVO_CHECK.7 SERVO_CHECK.8 SW2.2 SW3.2 SW4.2 SW5.2 SW6.2 TVS2.2 TVS2.3 U.7 U.38 U.39 U.40 U.42 U.44 U.45 U.46 U.47 U.51 U.52 U.56 U.57 U.58 U.63 U.64 U.65 U.72 U.76 U.78 U.79 U.80 U.81 U.82 U.83 U.84 U.85 U.87 U.88 U.89 U.92 U.93 U.95 U.96 U.97 U.98 USB1.MH1 USB1.MH2
copper on no net:
  other v4: 3.6,3.975 14.6,3.975 4.57,17.827 4.57,28.827 3.6,60.075 14.6,60.075
  other v6: 87.192,4.764 30.953,29.728 87.091,53.577
  other v7: 50.905,12.93 37.705,26.13

## Polygon pours and split planes (outlines as drawn)
GND on Top Layer "GND" (solid, pour order 15): 8,0.25 0.25,8 0.25,56.75 7.75,64.25 8,64.5 116.5,64.5 117.25,64.5 118.75,63 118.75,5 114,0.25
GND on Bottom Layer "GND" (solid, pour order 17): 5,0.25 0.25,5 0.25,56.75 8,64.5 117.25,64.5 118.75,63 118.75,5 114,0.25

## Silkscreen, mask and mechanical layers (free items; w line width, h text height)
Top Overlay:
  drawing of 28 lines, arcs and shapes, not listed
  text "GND" at 85.182,61.046 h1 r90
  text "7V" at 83.81,59.243 h1
  text "PWM" at 83.887,57.439 h1
  text "Supply Module V2" at 75.4,31.4 h1
  text "Designed by" at 79.7,29.6 h1
  text "Igor Pieniek" at 79.7,28 h1
  text "IN" at 74.95,11.85 h1 r90
  text "5V" at 77.5,11.7 h1 r90
  text "GND" at 78.125,11.425 h1
  text "12V" at 65.98,7.858 h1 r90
  text "LED" at 39.614,7.503 h1 r90
  text "IN1" at 45.558,7.452 h1 r90
  text "5V" at 41.189,7.427 h1 r90
  text "12V" at 58.512,7.401 h1 r90
  text "-" at 34.077,7.376 h1 r90
  text "GND" at 42.462,7.379 h1 r90
  text "+" at 33.061,7.3 h1 r90
  text "GND" at 59.782,7.274 h1 r90
  text "GND" at 67.224,7.223 h1 r90
  text "IN2" at 44.11,7.198 h1 r90
Bottom Overlay:
  circle w0.254: c88.7,12.775 r1.3
  circle w0.254: c88.7,17.775 r1.3
  circle w0.254: c87.2,4.775 r3.506
  text "SFR" at 67.8,58.075 h1 r90
  text "SBL" at 69.2,58.075 h1 r90
  text "SFL" at 66.4,57.075 h1
  text "SBR" at 72.2,57.075 h1
  text "12V" at 81.321,9.84 h1 r90
  text "GND" at 80.026,9.738 h1 r90
  text "GND" at 64.354,4.556 h1 r90
  text "12V" at 65.573,4.531 h1 r90

## Text inside footprints (layer, text, board x,y; h text height)
CONV1: Top Overlay "VOUT" at 47.925,12.9 h1.2 r90; Top Overlay "GND" at 45.175,12.9 h1.2 r90; Top Overlay "VIN" at 42.675,12.9 h1.2 r90; Top Overlay "EN" at 40.175,12.9 h1.2 r90; Top Overlay "PG" at 37.675,12.9 h1.2 r90
CONV2: Top Overlay "VOUT" at 57.496,7.706 h1.2 r90; Top Overlay "GND" at 57.42,12.583 h1.2 r90; Top Overlay "VIN" at 56,16.075 h1.2; Top Overlay "EN" at 56,18.575 h1.2; Top Overlay "PG" at 56,21.075 h1.2
display1: Bottom Overlay "SDA" at 95.215,20.762 h1.2 r90; Bottom Overlay "SCK" at 95.342,16.748 h1.2 r90; Bottom Overlay "VDD" at 91.684,15.453 h1.2 r90; Bottom Overlay "GND" at 91.608,11.313 h1.2 r90
USB1: Mechanical 2 "PCB Edge" at 118.524,18.317 h0.41 r90